# Altium PCB LOAPAY_V6.6.8.PcbDoc (part 1 of 2) (continued)
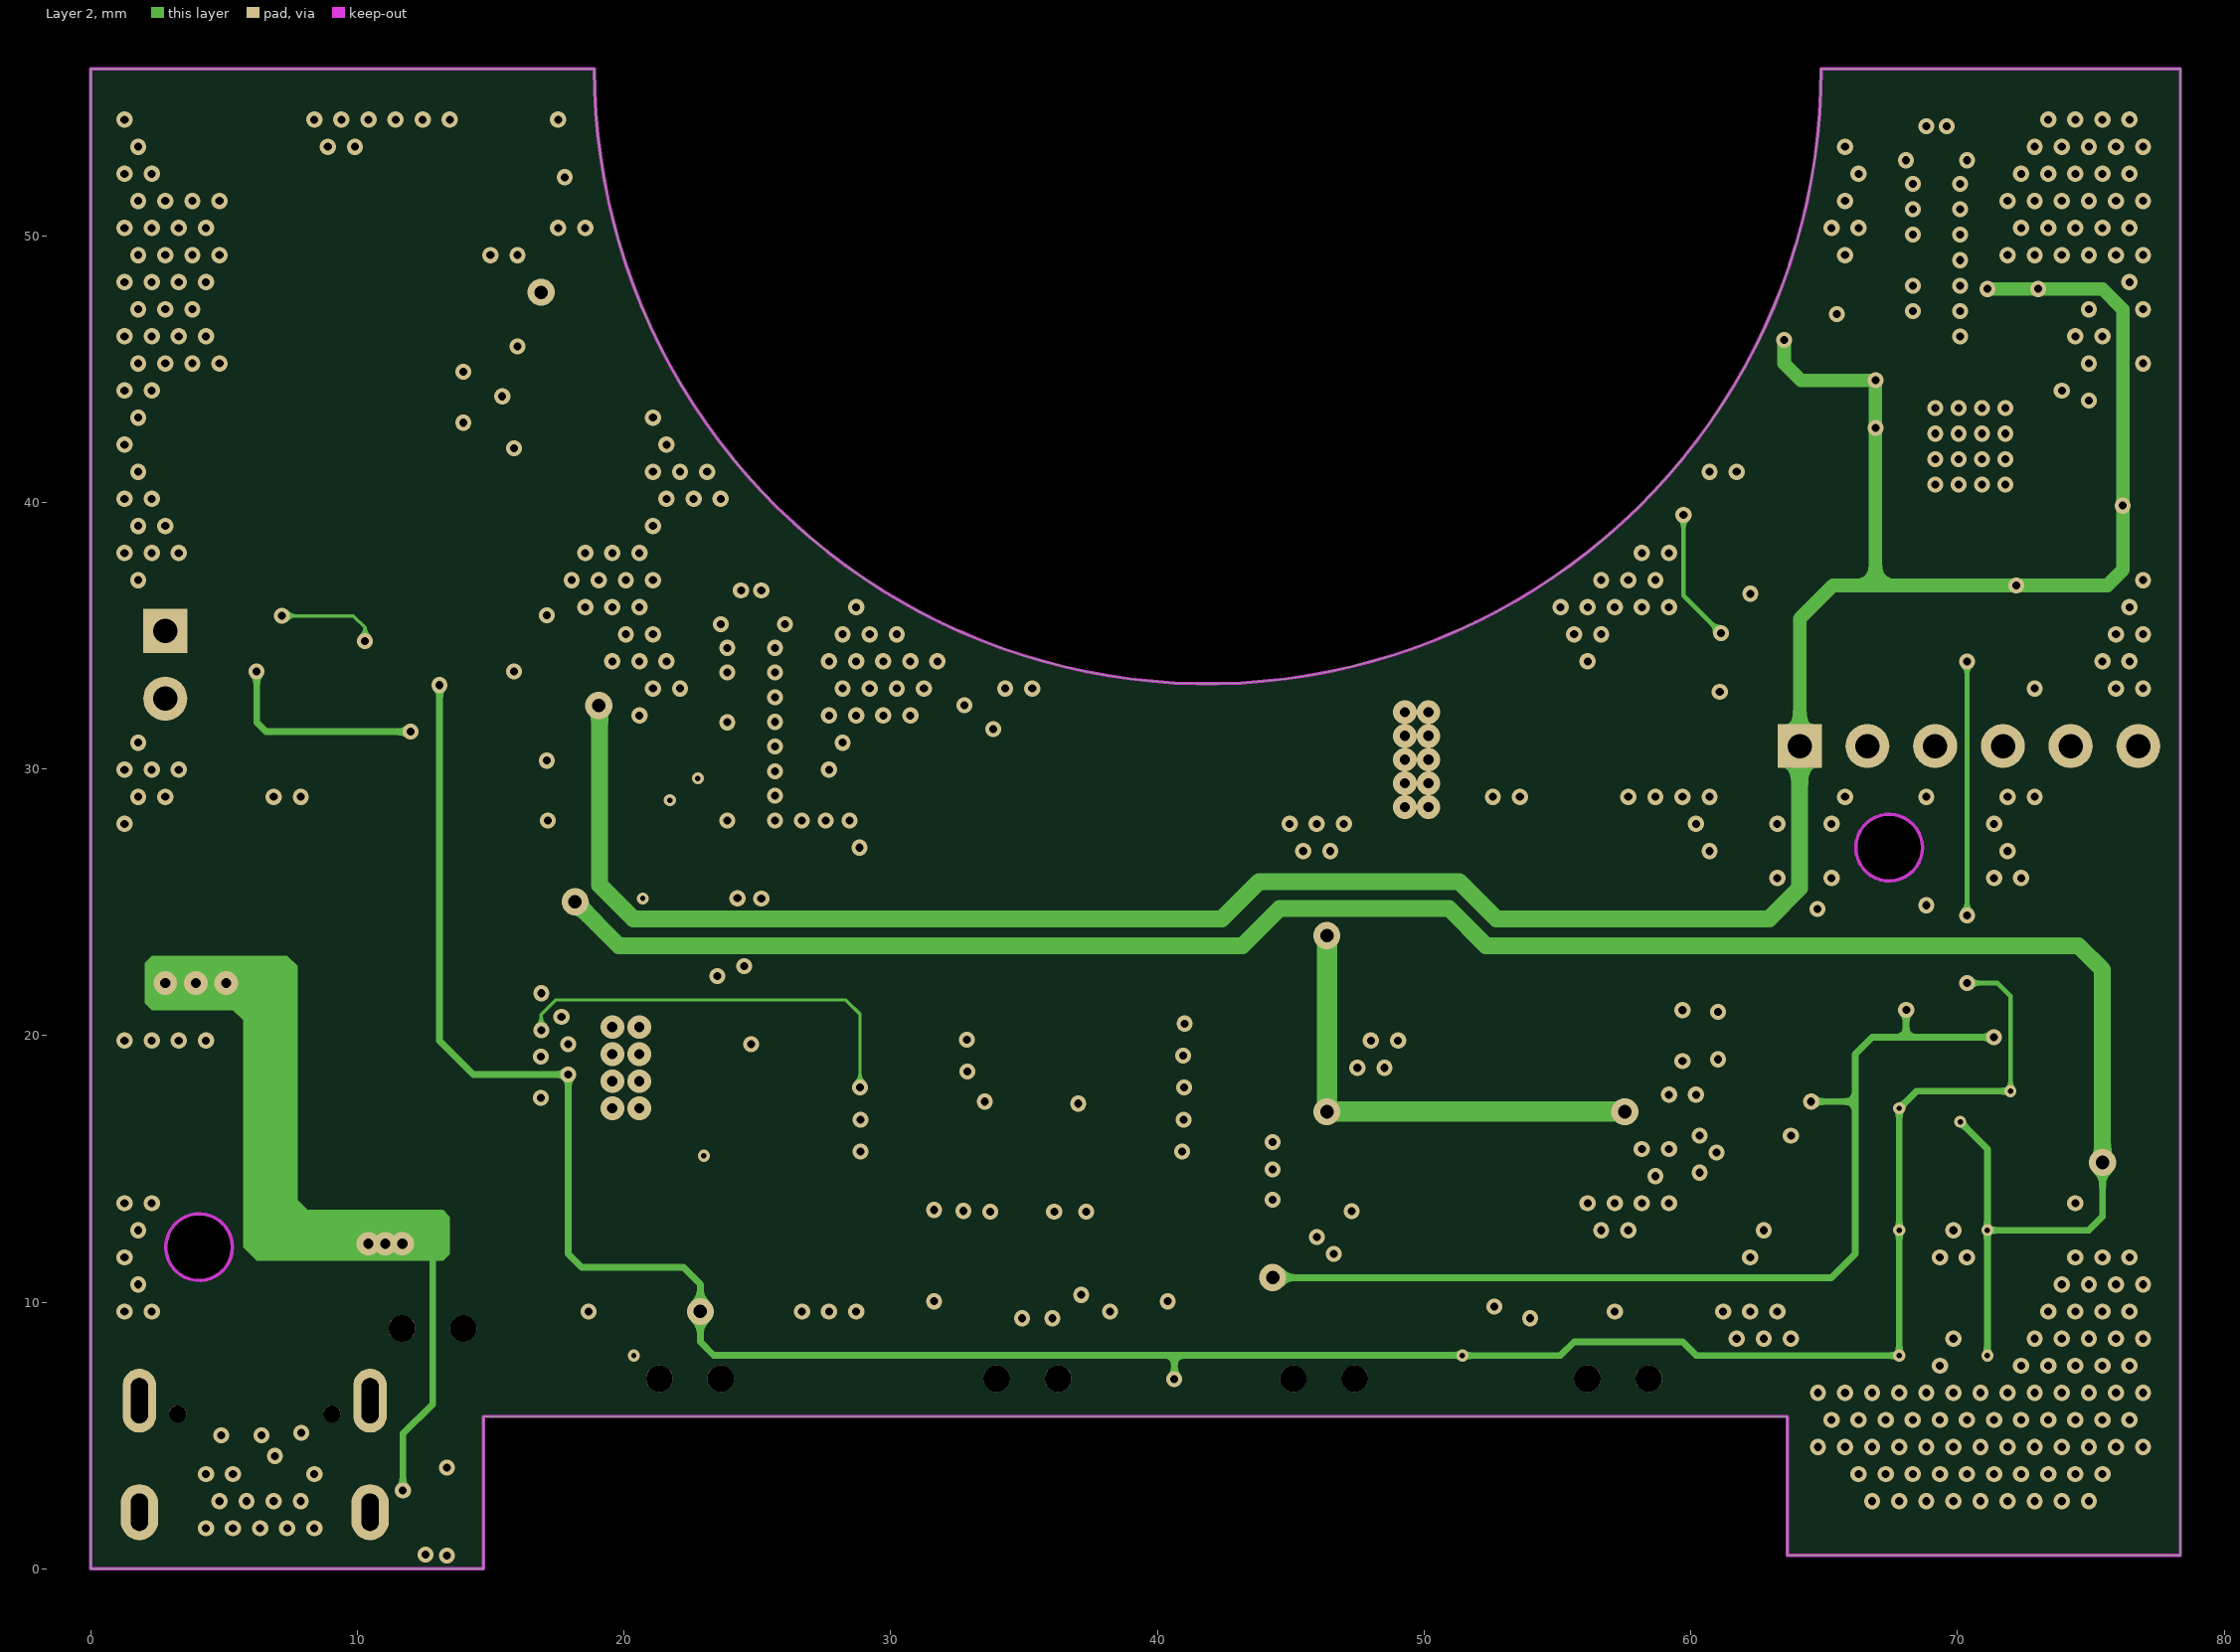
[diagram p3: Layer 2]
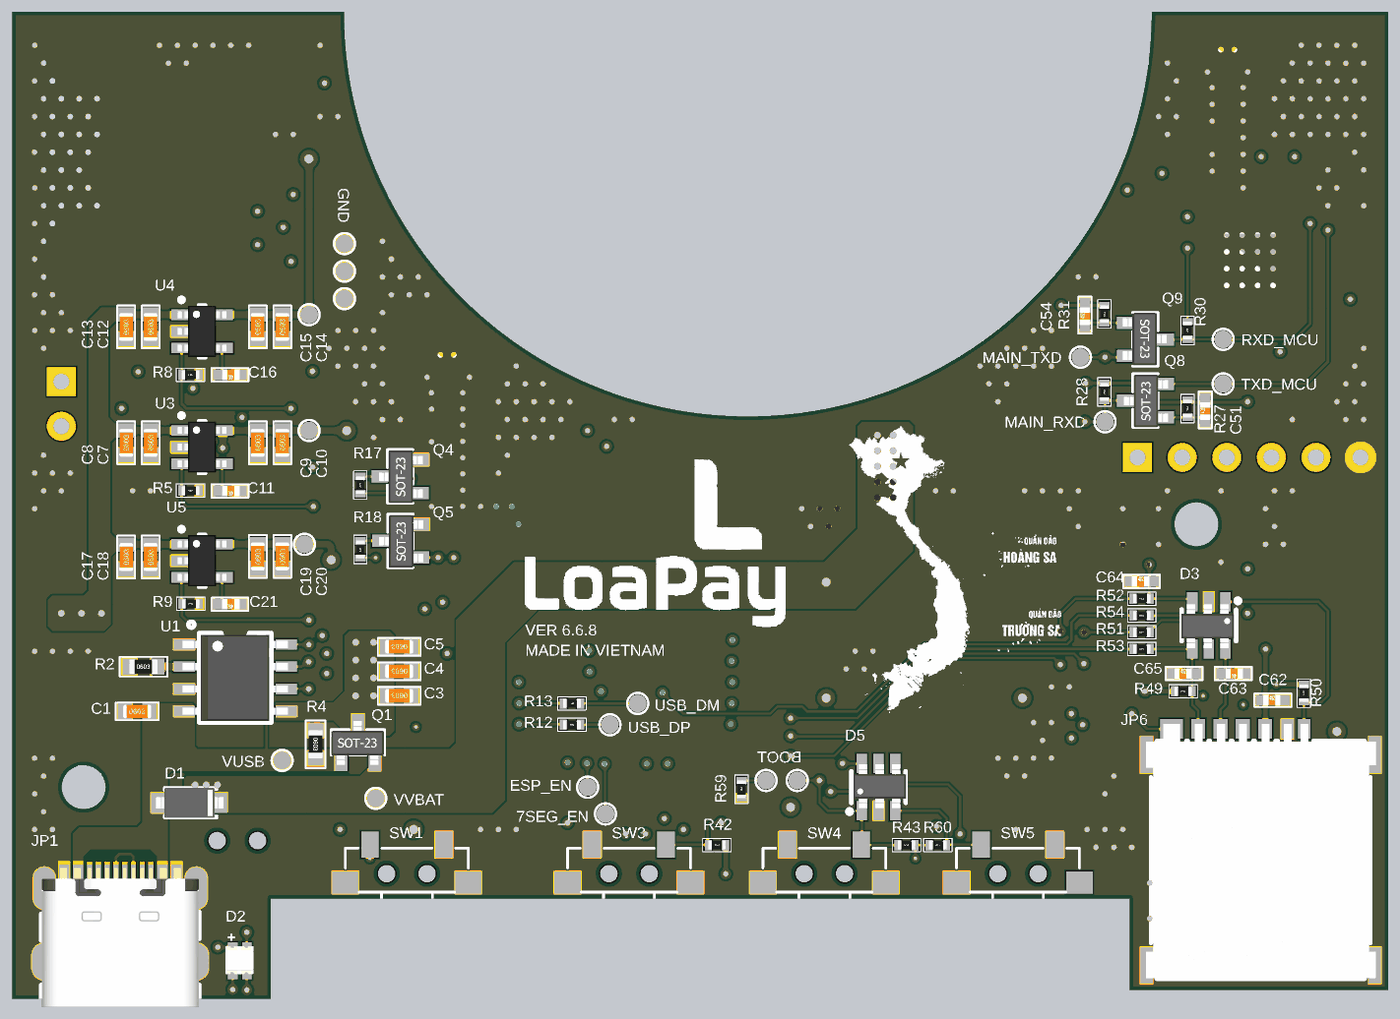
[diagram p5: 3D render of the assembled board from above, using the file's embedded part models]
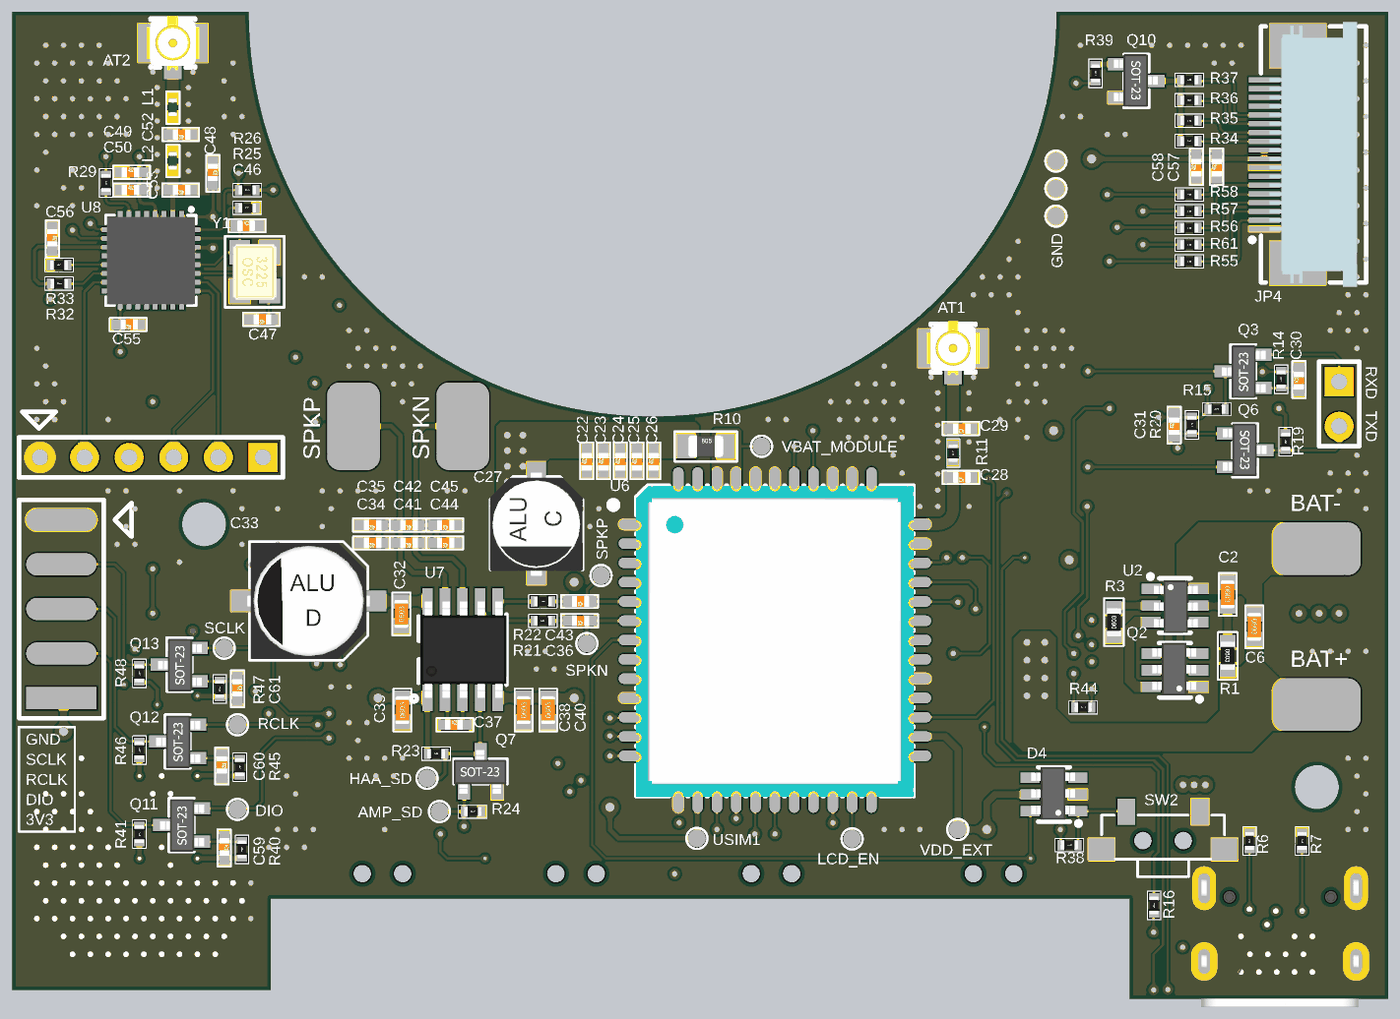
[diagram p6: 3D render of the assembled board from below, using the file's embedded part models]

## Layer stack, top to bottom
Top Solder: solder mask 0.0127, Solder Resist, Dk 3.8
Top Layer: signal copper 0.035
Dielectric 2: prepreg 0.2104, 7628, Dk 4.6
Layer 1: signal copper 0.0152
Dielectric 1: core 0.5, FR-4, Dk 4.5
Layer 2: signal copper 0.0152
Dielectric 3: prepreg 0.2104, 7628, Dk 4.6
Bottom Layer: signal copper 0.035
Bottom Solder: solder mask 0.0127, Solder Resist, Dk 3.8

## Board outline
0,0 0,56.261 18.889,56.261 18.889,56.262 ccw(c41.889,56.195) 64.889,56.262 64.889,56.261 78.359,56.261 78.359,0.508 63.627,0.508 63.627,5.715 14.732,5.715 14.732,0
cut-out: 66.187,27.051 ccw(c67.437,27.051) 67.437,25.801 ccw(c67.437,27.051) 68.687,27.051 ccw(c67.437,27.051) 67.437,28.301 ccw(c67.437,27.051)
cut-out: 4.064,10.815 cw(c4.064,12.065) 2.814,12.065 cw(c4.064,12.065) 4.064,13.315 cw(c4.064,12.065) 5.314,12.065 cw(c4.064,12.065)

## Design rules (kind name [scope] priority, off if disabled: settings)
BoardOutlineClearance [All] p1: gap=0.2 ignorepadtopadclearanceinfootprint=FALSE
Clearance [All] p1: gap=0.102 ignorepadtopadclearanceinfootprint=FALSE except(0.127: Arc-Via Track-Via SMDPad-Via THPad-Via Via-Via Via-Fill Via-Poly Via-Region Via-Text; 0.25: Arc-Hole Track-Hole SMDPad-Hole THPad-Hole Via-Hole Fill-Hole Poly-Hole Region-Hole Text-Hole)
ComponentClearance [All] p1: gap=0.102 collisioncheckmode=3 verticalgap=0.102 showdistances=TRUE
DiffPairsRouting [All] p1: maxlimit=0.102 minlimit=0.102 mostfreqgap=0.102 toplayer_minwidth=0.102 toplayer_maxwidth=1816.048 toplayer_prefwidth=0.102 midlayer1_minwidth=0.102 midlayer1_maxwidth=1816.048 midlayer1_prefwidth=0.102 midlayer2_minwidth=0.102 midlayer2_maxwidth=1816.048 midlayer2_prefwidth=0.102 bottomlayer_minwidth=0.102 bottomlayer_maxwidth=1816.048 bottomlayer_prefwidth=0.102 maxuncoupledlength=12.7
Height [All] p1: minheight=0 maxheight=1816.048 prefheight=12.7
HoleSize [All] p1: absolutevalues=TRUE maxlimit=6.3 minlimit=0.2 maxpercent=80.000 minpercent=20.000
HoleToHoleClearance [All] p1: gap=0.25 allowstackedmicrovias=FALSE
MinimumAnnularRing [All] p1: minimumring=0.076
MinimumSolderMaskSliver [All] p1: minsoldermaskwidth=0
PlaneClearance [All] p1: clearance=0.102
PlaneConnect PlaneConnectPowerPads [InPadClass('PowerPads')] p1: planeconnectstyle=Direct reliefexpansion=0.508 reliefentries=4 reliefconductorwidth=0.254 reliefairgap=0.254
PlaneConnect [All] p2: pad.planeconnectstyle=Relief pad.reliefexpansion=0.3 pad.reliefentries=4 pad.reliefconductorwidth=0.102 pad.reliefairgap=0.102 via.planeconnectstyle=Direct via.reliefexpansion=0.3 via.reliefentries=4 via.reliefconductorwidth=0.127 via.reliefairgap=0.127
PolygonConnect PolygonConnectPowerPads [All vs (InPadClass('PowerPads'))] p1: connectstyle=Direct reliefconductorwidth=0.254 reliefentries=4 polygonreliefangle="90 Angle" airgapwidth=0.254
PolygonConnect [All] p2: connectstyle=Direct reliefconductorwidth=0.102 reliefentries=4 polygonreliefangle="90 Angle" airgapwidth=0.102
RoutingVias [All] p1: holewidth=0.2 width=0.45 viastyle="Through Hole" minholewidth=0.2 minwidth=0.45 maxholewidth=6.3 maxwidth=6.55
SilkToSilkClearance [All] p1: silktosilkclearance=0
SilkToSolderMaskClearance [IsPad] p1: minsilkscreentomaskgap=0 clearancetoexposedcopper=TRUE
SolderMaskExpansion [All] p1: expansion=0.075 istentingtop=FALSE
Width [All] p1: maxlimit=1816.048 minlimit=0.102 preferedwidth=0.102
20 further rules are at their usual default settings.

## Classes and differential pairs
component class "VOLTAGE SOURCE": C1 C2 C3 C4 C5 C6 C7 C8 C9 C10 C11 C12 C13 C14 C15 C16 C17 C18 C19 C20 C21 D1 JP1 Q1 Q2 R1 R2 R3 R4 R5 R6 R7 R8 R9 SP1 SP2 TP1 TP2 TP3 TP4 TP5 TP6 TP7 TP8 TP9 TP10 TP11 TP12 TP13 TP14 U1 U2 U3 U4 U5
component class USIM1: C62 C63 C64 C65 D3 JP6 R49 R50 R51 R52 R53 R54
component class PERIPHERALS: C57 C58 C59 C60 C61 D4 D5 JP4 JP5 Q10 Q11 Q12 Q13 R34 R35 R36 R37 R38 R39 R40 R41 R42 R43 R45 R46 R47 R48 R55 R56 R57 R58 R60 R61 SW1 SW2 SW3 SW4 SW5 TP28 TP29 TP30
component class ESP8285: AT2 C46 C47 C48 C49 C50 C51 C52 C53 C54 C55 C56 JP3 L1 L2 Q8 Q9 R25 R26 R27 R28 R29 R30 R31 R32 R33 TP24 TP25 TP26 TP27 U8 Y1
component class EC800M_CN: AT1 C22 C23 C24 C25 C26 C27 C28 C29 C30 C31 D2 JP2 Q3 Q4 Q5 Q6 R10 R11 R12 R13 R14 R15 R16 R17 R18 R19 R20 R44 R59 TP15 TP16 TP17 TP18 TP19 TP31 TP32 U6
component class AMPLIFIER: C32 C33 C34 C35 C36 C37 C38 C39 C40 C41 C42 C43 C44 C45 Q7 R21 R22 R23 R24 SP3 SP4 TP20 TP21 TP22 TP23 U7

## Components (designator, comment, footprint, x,y, rotation, side; value= is the part's Value field where it differs from the comment)
AT1 "BWU.FL-IPEX1" IPEX-SMD_BWIPX-1-001E 24.781,36.834 r90 bottom
AT2 "BWU.FL-IPEX1" IPEX-SMD_BWIPX-1-001E 69.215,54.233 r90 bottom
C1 "100nF 10V" C0603 7.112,16.383 r0 top
C2 "100nF 10V" C0603 9.144,23.052 r270 bottom
C3 "100nF 10V" C0603 22.036,17.272 r180 top
C4 "10uF 10V" C0603 22.036,18.669 r180 top
C5 "22uF 10V" C0603 22.036,20.066 r180 top
C6 "10uF 10V" C0603 7.62,21.209 r270 bottom
C7 "10uF 10V" C0603 7.884,31.697 r90 top
C8 "1uF 10V" C0603 6.487,31.697 r90 top
C9 "1uF 10V" C0603 13.983,31.697 r90 top
C10 "10uF 10V" C0603 15.38,31.697 r90 top
C11 "22pF 50V" C0402_2 12.383,28.943 r180 top
C12 "10uF 10V" C0603 7.884,38.301 r90 top
C13 "1uF 10V" C0603 6.487,38.301 r90 top
C14 "1uF 10V" C0603 15.38,38.301 r90 top
C15 "10uF 10V" C0603 13.983,38.301 r90 top
C16 "22pF 50V" C0402_2 12.383,35.572 r180 top
C17 "10uF 10V" C0603 6.487,25.183 r90 top
C18 "1uF 10V" C0603 7.884,25.183 r90 top
C19 "1uF 10V" C0603 13.983,25.22 r90 top
C20 "10uF 10V" C0603 15.38,25.22 r90 top
C21 "22pF 50V" C0402_2 12.38,22.491 r180 top
C22 "100nF 16V" C0402_2 45.639,30.683 r90 bottom
C23 "33pF 50V" C0402_2 44.686,30.683 r90 bottom
C24 "10pF 50V" C0402_2 43.734,30.683 r90 bottom
C25 "3.9pF 50V" C0402_2 42.781,30.683 r90 bottom
C26 "1.8pF 50V" C0402_2 41.829,30.683 r90 bottom
C27 "100uF 10V" CAP-ALU-SMD-C-NEW 48.514,29.21 r270 bottom
C28 "1pF 50V" C0402_2 24.349,29.718 r0 bottom
C29 "1pF 50V" C0402_2 24.349,32.512 r0 bottom
C30 "1nF 50V" C0402_2 5.08,35.314 r90 bottom
C31 "1nF 50V" C0402_2 12.192,32.715 r90 bottom
C32 "10uF 10V" C0603 56.204,21.94 r90 bottom
C33 "220uF 10V" CAP-ALU-SMD-D-NEW 58.814,22.677 r0 bottom
C34 "33pF 50V" C0402_2 57.912,25.989 r0 bottom
C35 "10pF 50V" C0402_2 57.912,27.005 r0 bottom
C36 "3.3nF 50V" C0402_2 46.066,21.551 r0 bottom
C37 "4.7uF 16V" C0402_2 53.14,15.621 r180 bottom
C38 "1uF 10V" C0603 49.236,16.459 r90 bottom
C39 "1uF 10V" C0603 56.144,16.457 r90 bottom
C40 "22uF 10V" C0603 47.839,16.459 r90 bottom
C41 "33pF 50V" C0402_2 55.829,25.989 r0 bottom
C42 "10pF 50V" C0402_2 55.829,27.005 r0 bottom
C43 "3.3nF 50V" C0402_2 46.066,22.651 r0 bottom
C44 "33pF 50V" C0402_2 53.746,25.989 r0 bottom
C45 "10pF 50V" C0402_2 53.746,27.005 r0 bottom
C46 "10pF 50V" C0402_2 64.973,44.069 r180 bottom
C47 "10pF 50V" C0402_2 64.186,38.735 r0 bottom
C48 "1uF 10V" C0402_2 66.929,47.041 r270 bottom
C49 "10uF 10V" C0402_2 71.552,47.117 r180 bottom
C50 "100nF 16V" C0402_2 71.552,46.101 r180 bottom
C51 "1nF 50V" C0402_2 67.945,33.579 r90 top
C52 "1.4pF 50V" C0402_2 68.783,49.276 r0 bottom
C53 "1.7pF 50V" C0402_2 68.783,46.101 r0 bottom
C54 "1nF 50V" C0402_2 61.087,38.989 r90 top
C55 "1uF 10V" C0402_2 71.776,38.438 r0 bottom
C56 "1uF 10V" C0402_2 76.073,43.307 r270 bottom
C57 "1uF 10V" C0402_2 9.779,47.447 r90 bottom
C58 "10uF 10V" C0402_2 10.922,47.447 r90 bottom
C59 "1nF 50V" C0402_2 66.294,8.585 r270 bottom
C60 "1nF 50V" C0402_2 66.421,13.259 r270 bottom
C61 "1nF 50V" C0402_2 65.526,17.661 r270 bottom
C62 "100nF 16V" C0402_2 71.806,17.018 r0 top
C63 "33pF 50V" C0402_2 69.52,18.542 r180 top
C64 "33pF 50V" C0402_2 64.324,23.791 r0 top
C65 "33pF 50V" C0402_2 66.751,18.542 r0 top
D1 "SOD4007-SH" D_SOD-123_L2.8-W1.8-LS3.7-RD 10.075,11.176 r180 top
D2 "XL-2012RGBC" LED-SMD_4P-L2.0-W1.3-BR 12.954,2.413 r90 top
D3 "USBLC6-4SC6-ES" D_SOT23-6 69.096,22.639 r270 top
D4 "USBLC6-4SC6-ES" D_SOT23-6 17.685,10.698 r0 bottom
D5 "USBLC6-4SC6-ES" D_SOT23-6 48.383,10.719 r90 top
JP1 "TYPE C 16P" "TYPE C 16P" 10.475,6.305 r180 top
JP2 "PZ254V-11-02P" "JP2_M - 2" 2.794,35.179 r270 bottom
JP3 "PZ254V-11-06P" JP6_M_2 64.084,30.861 r0 bottom
JP4 "KH-CL0.5-H2.0-18PS" FPC-SMD-18P-TOP 6.096,48.133 r90 bottom
JP5 "PZ254V-11-05P" "JP5_M_SMD - 2" 75.565,17.145 r90 bottom
JP6 "SIM304-TZ7P" SIM-SMD_ATOM-A05447-1 71.097,8.405 r0 top
L1 "0402 1.9nH" "L0402 - 2" 69.215,50.308 r90 bottom
L2 "0402 3nH" "L0402 - 2" 69.215,47.26 r90 bottom
Q1 "AO3401" TF_SOT_23_3 19.685,15.621 r0 top
Q2 "FS8205A" TF_SOT23-6 10.795,17.78 r0 bottom
Q3 "2SC1815" TF_SOT_23_3 9.271,35.771 r90 bottom
Q4 "2SC1815" TF_SOT_23_3 21.085,29.782 r90 top
Q5 "2SC1815" TF_SOT_23_3 21.108,26.101 r90 top
Q6 "2SC1815" TF_SOT_23_3 7.138,31.265 r270 bottom
Q7 "2SC1815" TF_SOT_23_3 51.689,13.97 r180 bottom
Q8 "2SC1815" TF_SOT_23_3 63.526,34.102 r90 top
Q9 "2SC1815" TF_SOT_23_3 65.532,37.592 r270 top
Q10 "2SC1815" TF_SOT_23_3 13.335,52.324 r270 bottom
Q11 "2SC1815" TF_SOT_23_3 69.729,9.906 r90 bottom
Q12 "2SC1815" TF_SOT_23_3 69.951,14.671 r90 bottom
Q13 "2SC1815" TF_SOT_23_3 69.85,19.05 r90 bottom
R1 "1K 1%" RES_SMD_0603 9.144,19.558 r270 bottom
R2 "2K 1%" RES_SMD_0603 7.465,18.935 r0 top
R3 "1K 1%" RES_SMD_0603 15.621,21.463 r90 bottom
R4 "10K 1%" RES_SMD_0603 17.272,14.516 r270 top
R5 "10K 1%" RES_SMD_0402 10.148,28.968 r180 top
R6 "5.1K 1%" RES_SMD_0402 7.891,9.004 r270 bottom
R7 "5.1K 1%" RES_SMD_0402 4.901,9.004 r270 bottom
R8 "10K 1%" RES_SMD_0402 10.148,35.572 r180 top
R9 "10K 1%" RES_SMD_0402 10.162,22.516 r180 top
R10 "0R 1%" RES_SMD_0805 38.862,31.496 r180 bottom
R11 "0R 1%" RES_SMD_0402 24.781,31.107 r90 bottom
R12 "0R 1%" RES_SMD_0402 31.869,15.621 r180 top
R13 "0R 1%" RES_SMD_0402 31.869,16.837 r180 top
R14 "4.7K 1%" RES_SMD_0402 6.096,35.313 r90 bottom
R15 "10K 1%" RES_SMD_0402 9.771,33.612 r0 bottom
R16 "1K 1%" RES_SMD_0402 13.335,5.326 r270 bottom
R17 "1K 1%" RES_SMD_0402 19.821,29.282 r270 top
R18 "1K 1%" RES_SMD_0402 19.821,25.615 r270 top
R19 "10K 1%" RES_SMD_0402 5.842,31.765 r90 bottom
R20 "4.7K 1%" RES_SMD_0402 11.176,32.715 r90 bottom
R21 "20K 1%" RES_SMD_0402 48.141,21.551 r0 bottom
R22 "20K 1%" RES_SMD_0402 48.141,22.651 r0 bottom
R23 "10K 1%" RES_SMD_0402 54.221,13.97 r180 bottom
R24 "10K 1%" RES_SMD_0402 52.129,10.676 r180 bottom
R25 "12K 1%" RES_SMD_0402 64.973,45.085 r180 bottom
R26 "10K 1%" RES_SMD_0402 64.973,46.101 r180 bottom
R27 "4.7K 1%" RES_SMD_0402 66.929,33.647 r90 top
R28 "10K 1%" RES_SMD_0402 62.195,34.598 r90 top
R29 "10K 1%" RES_SMD_0402 73.025,46.507 r270 bottom
R30 "10K 1%" RES_SMD_0402 66.929,38.092 r90 top
R31 "4.7K 1%" RES_SMD_0402 62.195,39.034 r90 top
R32 "10K 1%" RES_SMD_0402 75.684,40.767 r0 bottom
R33 "10K 1%" RES_SMD_0402 75.692,41.831 r180 bottom
R34 "100R 1%" RES_SMD_0402 11.328,48.895 r180 bottom
R35 "100R 1%" RES_SMD_0402 11.328,50.058 r180 bottom
R36 "100R 1%" RES_SMD_0402 11.328,51.22 r180 bottom
R37 "100R 1%" RES_SMD_0402 11.328,52.383 r180 bottom
R38 "1K 1%" RES_SMD_0402 18.153,8.763 r0 bottom
R39 "3K 1%" RES_SMD_0402 16.669,52.756 r90 bottom
R40 "4.7K 1%" RES_SMD_0402 65.278,8.517 r270 bottom
R41 "10K 1%" RES_SMD_0402 71.12,9.395 r270 bottom
R42 "10K 1%" RES_SMD_0402 40.132,8.763 r0 top
R43 "10K 1%" RES_SMD_0402 50.927,8.763 r0 top
R44 "10K 1%" RES_SMD_0402 17.367,16.617 r0 bottom
R45 "4.7K 1%" RES_SMD_0402 65.405,13.2 r270 bottom
R46 "10K 1%" RES_SMD_0402 71.12,14.177 r270 bottom
R47 "4.7K 1%" RES_SMD_0402 66.548,17.661 r270 bottom
R48 "10K 1%" RES_SMD_0402 71.12,18.55 r270 bottom
R49 "15K 1%" RES_SMD_0402 66.683,17.526 r180 top
R50 "51K 1%" RES_SMD_0402 73.557,17.424 r90 top
R51 "0R 1%" RES_SMD_0402 64.324,20.896 r0 top
R52 "0R 1%" RES_SMD_0402 64.324,22.809 r0 top
R53 "0R 1%" RES_SMD_0402 64.324,19.939 r0 top
R54 "0R 1%" RES_SMD_0402 64.324,21.852 r0 top
R55 "0R 1%" RES_SMD_0402 11.328,42.037 r180 bottom
R56 "0R 1%" RES_SMD_0402 11.328,43.942 r180 bottom
R57 "0R 1%" RES_SMD_0402 11.328,44.895 r180 bottom
R58 "0R 1%" RES_SMD_0402 11.328,45.847 r180 bottom
R59 "4.7K 1%" RES_SMD_0402 41.529,11.946 r90 top
R60 "10K 1%" RES_SMD_0402 52.713,8.763 r180 top
R61 "0R 1%" RES_SMD_0402 11.328,42.989 r180 bottom
SP1 "SP" "SOLDERING PAD BIG 5" 4.064,16.764 r180 bottom
SP2 "SP" "SOLDERING PAD BIG 5" 4.064,25.654 r180 bottom
SP3 "SP" "SOLDERING PAD BIG 5" 58.928,32.639 r90 bottom
SP4 "SP" "SOLDERING PAD BIG 5" 52.705,32.639 r90 bottom
SW1 "BX-TS-26-3635TT" BX-TS-26-3635TT 25.972,6.629 r180 top
SW2 "BX-TS-26-3635TT" BX-TS-26-3635TT 9.32,8.512 r0 bottom
SW3 "BX-TS-26-3635TT" BX-TS-26-3635TT 38.625,6.629 r180 top
SW4 "BX-TS-26-3635TT" BX-TS-26-3635TT 49.75,6.629 r180 top
SW5 "BX-TS-26-3635TT" BX-TS-26-3635TT 60.775,6.629 r180 top
TP1 "Test Point" TEST_POINT 15.367,13.589 r90 top
TP2 "Test Point" TEST_POINT 20.701,11.43 r90 top
TP3 "Test Point" TEST_POINT 16.901,32.397 r90 top
TP4 "Test Point" TEST_POINT 32.766,12.065 r90 top
TP5 "Test Point" TEST_POINT 16.901,39.001 r90 top
TP6 "Test Point" TEST_POINT 18.923,47.752 r180 bottom
TP7 "Test Point" TEST_POINT 18.923,46.184 r180 bottom
TP8 "Test Point" TEST_POINT 18.923,44.616 r180 bottom
TP9 "Test Point" TEST_POINT 18.917,43.048 r180 top
TP10 "Test Point" TEST_POINT 18.917,39.912 r180 top
TP11 "Test Point" TEST_POINT 18.917,41.48 r180 top